# Altium PCB sommotor.PcbDoc (part 2 of 3)
Units mil, origin at the board's own origin, x right, y up, seen from the top; angles counter-clockwise.
Board outline 2543.31 x 4157.48 mil, 4 copper layers (Component Side, Ground Plane, Power Plane, Solder Side), stack 33.234 mil thick; 284 components, 240 nets, 1086 pads, 573 vias.
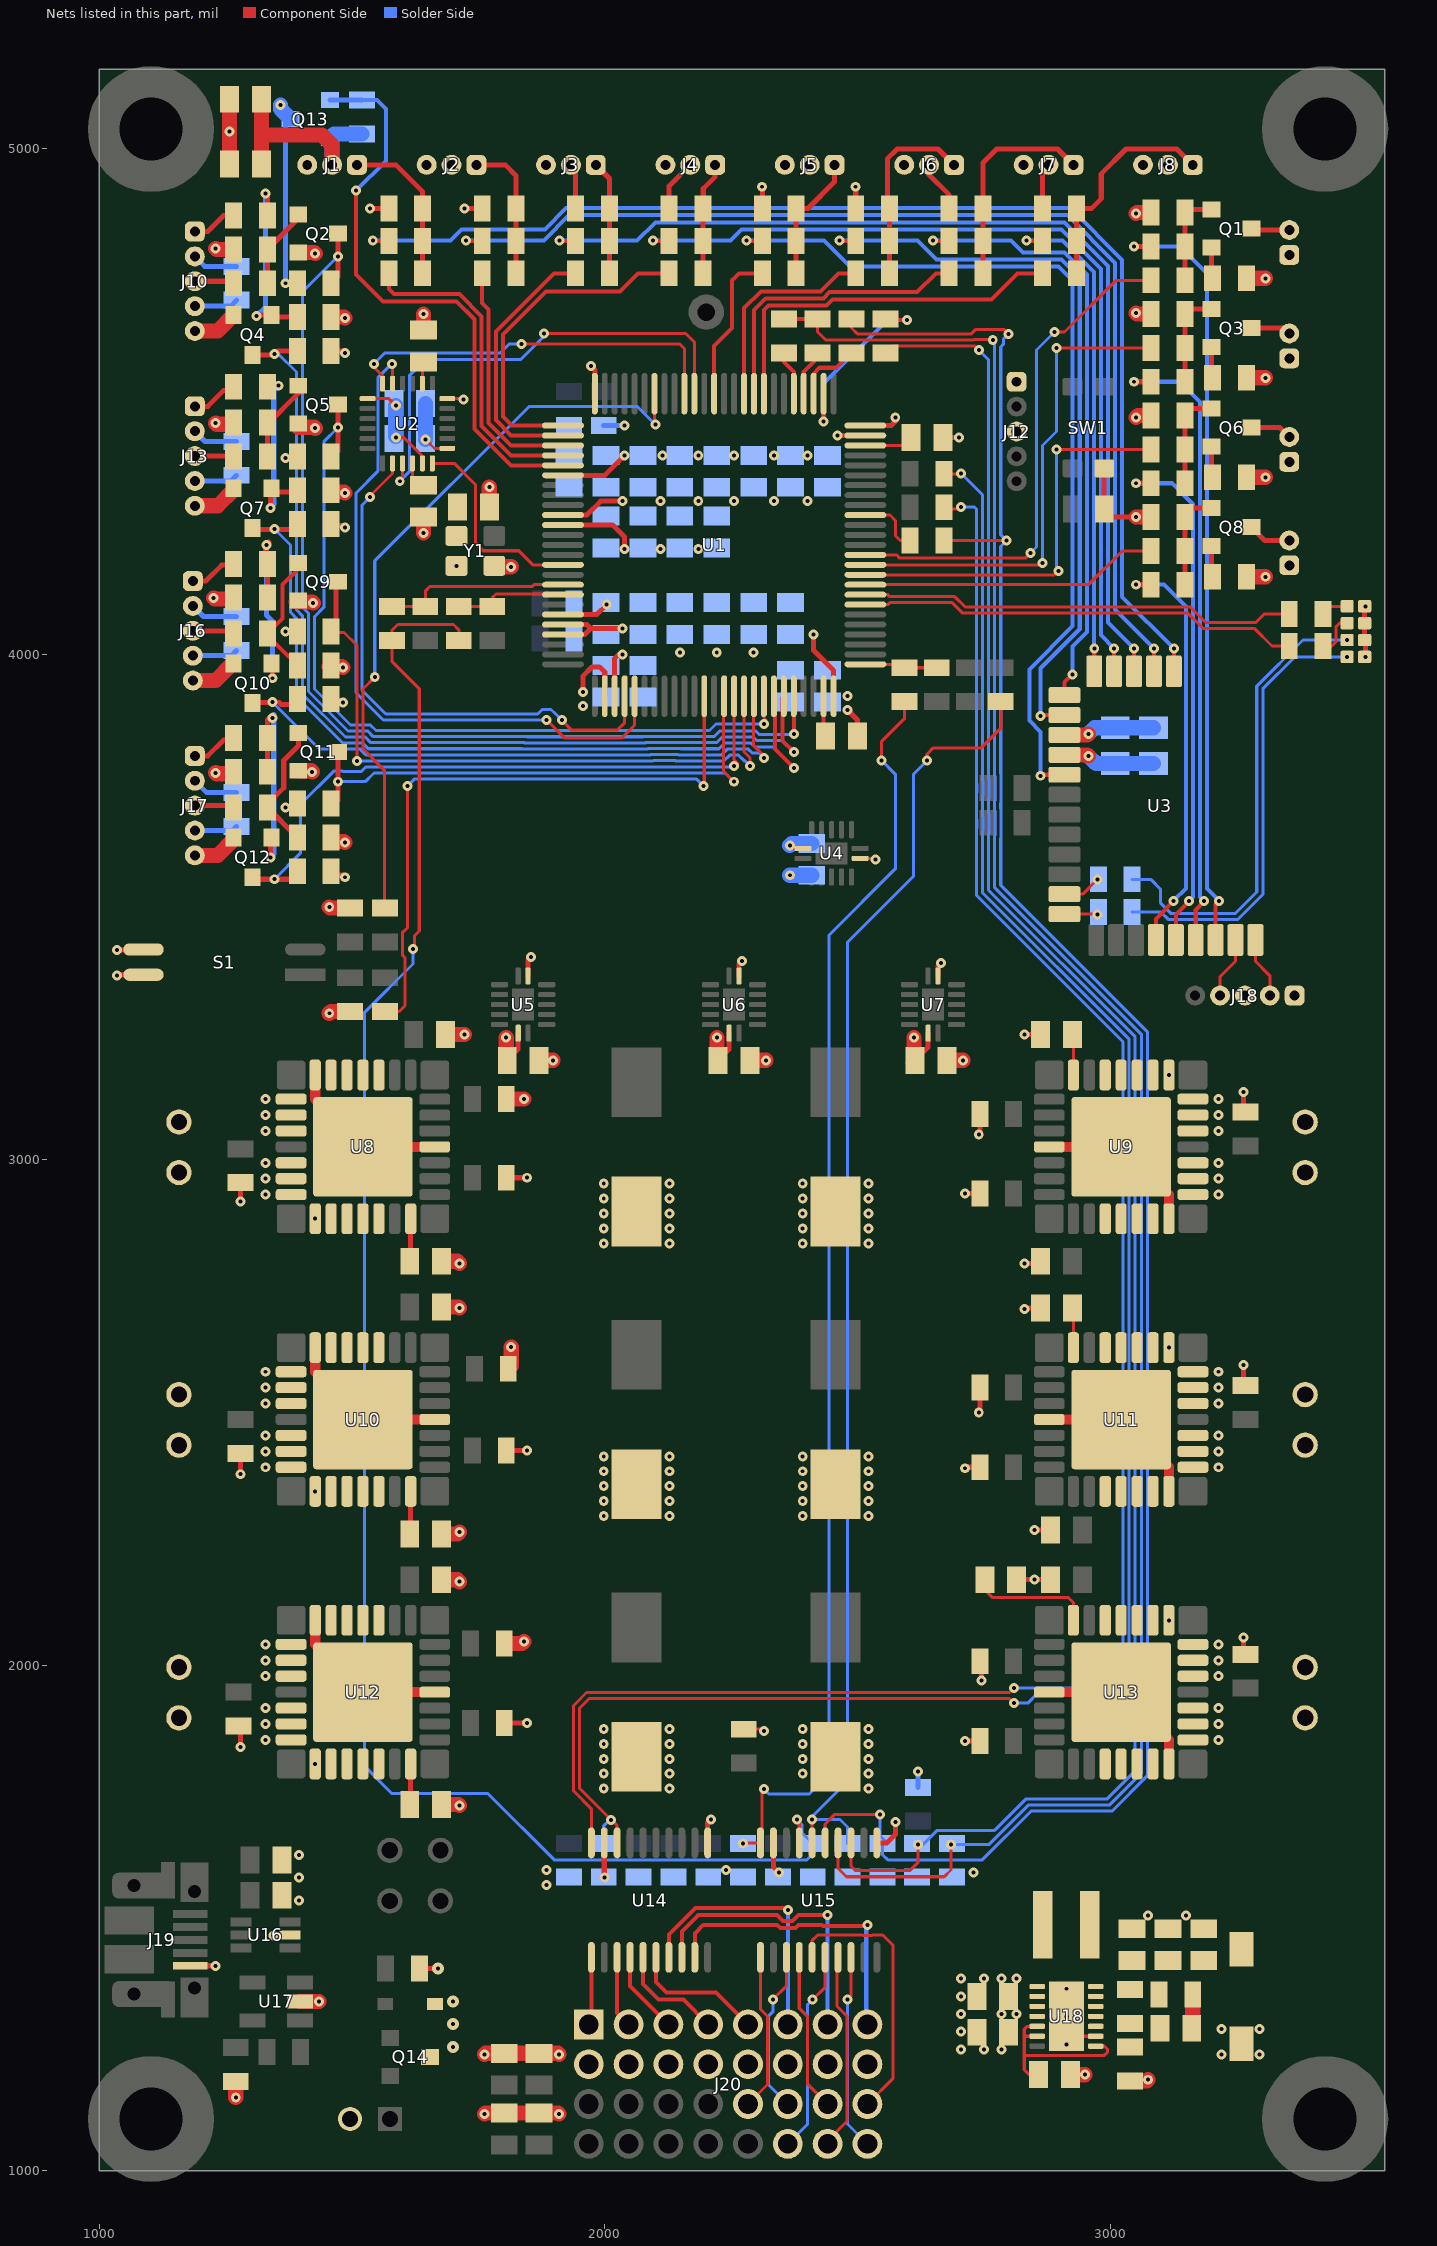
[diagram p4: the nets of this part, all layers, seen from the top]

## Via types
v1: diameter 19.68, hole 7.87, Component Side to Solder Side, tented both sides, 564 vias
v2: diameter 24, hole 8, Component Side to Solder Side, 9 vias

## Nets (pads, with @x,y where several pads share a name; then routed paths per layer and width w, separated by ;. In a path a pad name is that pad's centre, name@x,y a point inside that pad or via, vN(x,y) a via of type N, cw(c..) or ccw(c..) an arc to the next point about the centre after c; other vN are vias at no path point) (continued)
+3V3: C1.1 C2.1 C6.1 C11.2 C12.2 C13.2 C43.1 C44.1 C45.1 C46.2 C47.2 C48.2 C49.2 C50.1 C51.1 C52.1 C53.1 C54.2 C55.2 C56.1 C57.1 C58.1 C59.1 C60.1 C61.2 C62.2 C63.2 C64.1 C65.2 C66.1 C67.1 C68.2 C69.2 FB1.2 J1.2 J2.2 J3.2 J4.2 J5.2 J6.2 J7.2 J8.2 J9.1 J11.1 J12.1 J14.1 J15.1 J18.1 LED1.A LED2.A LED3.A LED4.A Q13.2 R1.2 R2.2 R3.2 R4.2 R5.2 R6.2 R7.2 R8.2 R85.1 R86.1 R89.2 R90.2 R91.2 R92.2 R95.2 R96.2 R97.2 R98.2 R101.2 R102.2 R103.2 R104.2 R112.1 R115.2 R119.2 R124.1 R125.1 R126.1 R127.1 R128.1 R129.1 R130.1 R131.1 R132.1 R133.1 R134.1 R135.1 U1.6 U1.11 U1.21 U1.22 U1.28 U1.50 U1.75 U1.100 U2.13 U3.8 U4.14 U5.14 U6.14 U7.14 U8.26 U9.26 U10.26 U11.26 U12.26 U13.26 U14.19 U15.19 Y1.1 Y1.4 | length 3319.9
  Component Side w6: v1(1645.67,4425.2) 1663.39,4407.48 U2.13@1688.48,4407.48 ; v1(2366.14,3622.05) 2372.05,3616.14 U4.14@2392.32,3616.14
  Component Side w10: v1(1279.53,1838.58) R103.2@1279.53,1875.98 ; v1(1279.53,2377.95) R97.2@1279.53,2415.35 ; v1(1279.53,2917.32) R91.2@1279.53,2954.72 ; v1(1535.43,4881.89) 1535.86,4882.32 R1.2@1572.83,4882.32 ; v1(1722.44,4881.89) 1722.87,4882.32 R2.2@1757.59,4882.32 ; R104.2@1805.12,1885.83 v1(1846.46,1885.83) ; R98.2@1805.12,2425.2 v1(1846.46,2425.2) ; R92.2@1805.12,2964.57 v1(1846.46,2964.57) ; C11.2@1807.09,3196.85 1828.74,3218.5 U5.14@1828.74,3250.59 ; U1.22@1917.32,4039.37 1960.63,4039.37 1972.44,4051.18 ; U1.21@1917.32,4059.06 1964.57,4059.06 1972.44,4051.18 ; U1.11@1917.32,4255.91 2015.75,4255.91 2039.37,4232.28 v1(2039.37,4208.66) ; U1.6@1917.32,4354.33 2000,4354.33 v1(2039.37,4393.7) ; J3.2@1933.07,4968.5 1942.35,4959.22 R3.2@1942.35,4882.32 ; v1(1972.44,4570.87) 1980.31,4562.99 U1.100@1980.31,4515.75 ; U14.19@1999.02,1648.62 1999.02,1580.98 v1(2000,1580) ; U1.28@2019.68,3917.32 2019.68,3992.13 2027.55,3999.99 v1(2035.43,3999.99) ; v1(2035.43,4051.18) 1972.44,4051.18 ; R4.2@2127.11,4882.32 2127.11,4926.32 J4.2@2169.29,4968.5 ; C12.2@2224.41,3196.85 2246.06,3218.5 U6.14@2246.06,3250.59 ; v1(2311.02,4925.2) 2311.87,4924.35 R5.2@2311.87,4882.32 ; U15.19@2333.66,1648.62 2333.66,1601.34 v1(2345,1590) ; v1(2413.39,4039.37) 2413.39,4007.87 2452.76,3968.5 U1.50@2452.76,3917.32 ; v1(2496.06,4925.2) 2496.63,4924.63 R6.2@2496.63,4882.32 ; U1.75@2515.75,4452.76 2566.6,4452.76 2574.8,4460.95 v1(2574.8,4468.49) ; C13.2@2614.17,3196.85 2639.76,3222.44 U7.14@2639.76,3250.59 ; J6.2@2641.73,4968.5 2641.73,4948.82 2681.38,4909.17 R7.2@2681.38,4882.32 ; R102.2@2738.19,2007.87 2745,2001.06 v1(2745,1970) ; v1(2740,2500) 2742.13,2502.13 R95.2@2742.13,2549.21 ; v1(2740,3050) 2742.13,3052.13 R89.2@2742.13,3090.55 ; R8.2@2866.14,4882.32 2866.14,4956.69 J7.2@2877.95,4968.5 ; R101.2@3263.78,2017.72 v1(3263.78,2055.12) ; R96.2@3263.78,2557.09 v1(3263.78,2594.49) ; R90.2@3263.78,3096.46 v1(3263.78,3133.86) ; LED1.A@3503.54,4095.12 LED2.A@3503.54,4061.75 LED3.A@3503.54,4028.37 3505,4026.92 v1(3505,3995)
  Component Side w30: C2.1@1320.87,4970.47 1320.87,5027.56 ; C1.1@1320.87,5098.43 1320.87,5027.56 ; v1(1455,3290) 1458.31,3293.31 R86.1@1496.06,3293.31 ; v1(1455,3500) 1456.97,3498.03 R85.1@1496.06,3498.03 ; J1.2@1460.63,4968.5 1460.63,5007.87 1440.94,5027.56 1320.87,5027.56 ; v1(1805,3241.6) 1805,3198.94 C11.2@1807.09,3196.85 ; C12.2@2222.32,3198.94 v1(2222.32,3241.6) ; C13.2@2610.24,3192.91 C13.2@2614.17,3196.85 ; C13.2@2612.09,3198.94 v1(2612.09,3241.6) ; U3.8@2909.45,3840.55 2954.72,3840.55 v1(2956.69,3842.52)
  Solder Side w30: J1.2@1460.63,4968.5 1460.63,5017.72 Q13.2@1456.69,5021.65 1464.57,5029.53 R112.1@1519.68,5029.53 ; v1(1645.67,4425.2) C44.1@1645.67,4427.17 C43.1@1645.67,4496.06 ; v1(2366.14,3622.05) 2370.08,3625.98 C69.2@2409.45,3625.98 ; v1(2956.69,3842.52) 2968.94,3854.76 C68.2@3010,3854.76 C67.1@3085.98,3854.76
  other v1: 3220,1230 3295,1230 3220,1280 3295,1280 1885,1565 2730,1590 1885,1595 2240,1595 1427.17,1804.72 3116.14,2088.98 1427.17,2344.09 3116.14,2628.35 1427.17,2883.46 3116.14,3167.72 2148.48,4003.94 2221.6,4003.94 2294.71,4003.94 3505,4095 1706.69,4175.2 2110.24,4208.66 2185.04,4208.66 2114.17,4393.7 2185.04,4393.7 2255.91,4393.7 2334.65,4393.7 2401.57,4393.7
BLE_SWDCK: J18.2 U3.26 | length 121.8
  Component Side w6: U3.26@3287.4,3435.04 3287.4,3392.6 3315.79,3364.21 J18.2@3315.79,3325
BLE_SWDIO: J18.4 U3.25 | length 122.7
  Component Side w6: J18.4@3217.36,3325 3217.36,3362.36 3248.03,3393.03 U3.25@3248.03,3435.04
BOOT0: R84.2 U1.94 | length 1471.8
  Component Side w6: v1(1545,3955) 1521.7,3931.7 1521.7,3813.3 1564,3771 1564,3498.99 R84.2@1564.96,3498.03 ; U1.94@2098.43,4515.75 2098.43,4456.57 v1(2100,4455)
  Solder Side w6: v1(1545,3955) 1545,4185 1850,4490 2065,4490 v1(2100,4455)
BOOT1: R87.2 U1.37 | length 1260.3
  Component Side w6: R87.2@1564.96,3293.31 1593.31,3293.31 1605,3305 1605,3400 1599.55,3405.45 1599.55,3449.24 1610,3459.69 v1(1610,3740) ; v1(2195,3740) 2196.85,3741.85 U1.37@2196.85,3917.32
  Solder Side w6: v1(1610,3740) 1623,3753 2182,3753 v1(2195,3740)
DET1: R11.2 U3.1 | length 2439.8
  Component Side w8: v1(1541.06,4818.9) 1541.83,4818.13 R11.2@1572.83,4818.13 ; U3.1@3125.98,3966.54 v1(3125.98,4011.81)
  Solder Side w8: v1(1541.06,4818.9) 1694.7,4818.9 1716.7,4840.9 1881.66,4840.9 1923.66,4882.9 2921.05,4882.9 3023.79,4780.15 3023.79,4114 v1(3125.98,4011.81)
DET2: R12.2 U3.2 | length 2215.6
  Component Side w8: v1(1725.82,4818.9) 1726.59,4818.13 R12.2@1757.59,4818.13 ; U3.2@3086.61,3966.54 v1(3086.61,4011.81)
  Solder Side w8: v1(1725.82,4818.9) 1879.46,4818.9 1929.46,4868.9 2915.25,4868.9 3009.79,4774.35 3009.79,4088.63 v1(3086.61,4011.81)
DET3: R13.2 U3.3 | length 1991.3
  Component Side w8: v1(1910.57,4818.9) 1911.34,4818.13 R13.2@1942.35,4818.13 ; U3.3@3047.24,3966.54 v1(3047.24,4011.81)
  Solder Side w8: v1(1910.57,4818.9) 2064.22,4818.9 2100.22,4854.9 2909.45,4854.9 2995.79,4768.56 2995.79,4063.26 v1(3047.24,4011.81)
DET4: R14.2 U3.4 | length 1767.1
  Component Side w8: v1(2095.33,4818.9) 2096.1,4818.13 R14.2@2127.11,4818.13 ; U3.4@3007.87,3966.54 v1(3007.87,4011.81)
  Solder Side w8: v1(2095.33,4818.9) 2248.98,4818.9 2270.98,4840.9 2903.65,4840.9 2981.79,4762.76 2981.79,4037.89 v1(3007.87,4011.81)
DET5: R15.2 U3.10 | length 1783
  Component Side w8: v1(2280.09,4818.9) 2280.86,4818.13 R15.2@2311.87,4818.13 ; v1(2862.2,3759.84) 2864.17,3761.81 U3.10@2909.45,3761.81
  Solder Side w8: v1(2280.09,4818.9) 2433.74,4818.9 2485.36,4767.28 2898.08,4767.28 2925.79,4739.56 2925.79,4055.94 2840.2,3970.35 2840.2,3868.84 2862.2,3846.84 v1(2862.2,3759.84)
DET6: R16.2 U3.7 | length 1485.1
  Component Side w8: v1(2464.85,4818.9) 2465.62,4818.13 R16.2@2496.63,4818.13 ; v1(2862.2,3877.95) 2864.17,3879.92 U3.7@2909.45,3879.92
  Solder Side w8: v1(2464.85,4818.9) 2618.49,4818.9 2656.12,4781.28 2903.88,4781.28 2939.79,4745.36 2939.79,4050.14 2862.2,3972.55 v1(2862.2,3877.95)
DET7: R17.2 U3.6 | length 1214.6
  Component Side w8: v1(2649.61,4818.9) 2650.38,4818.13 R17.2@2681.38,4818.13 ; U3.6@2909.45,3919.29 2909.45,3944.88 v1(2925.2,3960.63)
  Solder Side w8: v1(2649.61,4818.9) 2803.53,4818.9 2827.16,4795.28 2909.68,4795.28 2953.79,4751.16 2953.79,4044.34 2925.2,4015.75 v1(2925.2,3960.63)
DET8: R18.2 U3.5 | length 981.3
  Component Side w8: v1(2834.65,4818.9) 2835.41,4818.13 R18.2@2866.14,4818.13 ; U3.5@2968.5,3966.54 v1(2968.5,4011.81)
  Solder Side w8: v1(2834.65,4818.9) 2905.85,4818.9 2967.79,4756.96 2967.79,4012.52 v1(2968.5,4011.81)
EM1: R19.1 U3.24 | length 1531.2
  Component Side w8: U3.24@3208.66,3435.04 3208.66,3504.87 v1(3215.61,3511.81)
  Component Side w10: v1(3047.24,4807.09) R19.1@3080.71,4807.09
  Solder Side w8: v1(3047.24,4807.09) 3137.8,4807.09 3191.61,4753.28 3191.61,3536.92 3215.61,3512.92 v1(3215.61,3511.81)
EM2: R42.1 U3.23 | length 1254.9
  Component Side w8: U3.23@3169.29,3435.04 3169.29,3494.38 3185.61,3510.7 v1(3185.61,3511.81)
  Component Side w10: v1(3047.24,4539.37) R42.1@3080.71,4539.37
  Solder Side w8: v1(3047.24,4539.37) 3137.8,4539.37 3177.61,4499.56 3177.61,3519.81 v1(3185.61,3511.81)
EM3: R51.1 U3.22 | length 1035.1
  Component Side w8: U3.22@3129.92,3435.04 3129.92,3485.01 3155.61,3510.7 v1(3155.61,3511.81)
  Component Side w10: v1(3051.18,4338.58) R51.1@3080.71,4338.58
  Solder Side w8: v1(3051.18,4338.58) 3122.05,4338.58 3163.61,4297.02 3163.61,3519.81 v1(3155.61,3511.81)
EM4: R60.1 U3.21 | length 829.8
  Component Side w8: U3.21@3090.55,3435.04 3090.55,3476.76 v1(3125.61,3511.81)
  Component Side w10: v1(3051.18,4137.8) R60.1@3080.71,4137.8
  Solder Side w8: v1(3051.18,4137.8) 3106.3,4137.8 3149.61,4094.49 3149.61,3536.92 3125.61,3512.92 v1(3125.61,3511.81)
ENC_PWR: J10.2 J13.2 J16.2 J17.2 Q13.3 R32.1 R40.2 R48.1 R55.2 R67.1 R75.2 R79.1 R83.2 R113.2 R116.2 R118.2 R120.2 | length 942.7
  Component Side w10: v1(1368.11,3696.84) R79.1@1391.72,3696.84 ; v1(1368.11,4045.27) 1385.16,4045.27 R67.1@1387.79,4042.64 ; v1(1368.11,4388.44) R48.1@1391.72,4388.44 ; v1(1368.11,4734.24) R32.1@1391.72,4734.24 ; R75.2@1454.72,3908.79 1478.35,3908.79 v1(1482.28,3904.86) ; R83.2@1458.66,3562.99 1482.28,3562.99 v1(1486.22,3559.06) ; R55.2@1458.66,4254.59 1482.28,4254.59 v1(1486.22,4250.66) ; R40.2@1458.66,4600.39 1482.28,4600.39 v1(1486.22,4596.46)
  Solder Side w10: J16.2@1185.04,4095.8 1206.04,4074.8 R118.2@1271.65,4074.8 ; J17.2@1188.98,3750 1212.6,3726.38 R120.2@1271.65,3726.38 ; J13.2@1188.98,4441.6 1209.32,4421.26 R116.2@1271.65,4421.26 ; J10.2@1188.98,4787.4 1208.66,4767.72 R113.2@1271.65,4767.72 ; v1(1368.11,4734.24) 1368.11,5049.21 Q13.3@1377.95,5059.06
  Solder Side w30: v1(1358.27,5086.61) 1358.27,5078.74 Q13.3@1377.95,5059.06
GND: C1.2 C2.2 C3.2 C4.1 C5.2 C6.2 C7.2 C8.1 C9.1 C10.1 C11.1 C12.1 C13.1 C14.2 C15.2 C16.1 C17.1 C18.1 C19.1 C20.2 C21.2 C22.1 C23.1 C24.1 C25.1 C26.1 C27.2 C28.2 C29.1 C30.1 C31.2 C32.1 C33.1 C34.1 C35.1 C37.1 C38.1 C39.1 C40.2 C41.1 C42.1 C43.2 C44.2 C45.2 C46.1 C47.1 C48.1 C49.1 C50.2 C51.2 C52.2 C53.2 C54.1 C55.1 C56.2 C57.2 C58.2 C59.2 C60.2 C61.1 C62.1 C63.1 C64.2 C65.1 C66.2 C67.2 C68.1 C69.1 J1.3 J2.3 J3.3 J4.3 J5.3 J6.3 J7.3 J8.3 J10.5 J12.3 J13.5 J16.5 J17.5 J18.3 J19.5 J20.2 J20.6 J20.10 J20.14 J20.18 J20.22 J20.26 J20.30 K1.2 Q2.2 Q4.2 Q5.2 Q7.2 Q9.2 Q10.2 Q11.2 Q12.2 R9.1 R20.2 R29.2 R33.1 R34.2 R41.2 R44.1 R45.2 R50.2 R52.2 R54.1 R59.2 R61.2 R70.2 R77.2 R82.2 R88.1 R93.1 R94.1 R99.1 R100.1 R105.1 R106.1 R109.1 R110.1 R114.1 R117.1 R123.2 R136.2 S1.3 S1.4 SW1.3 U1.10 U1.20 U1.27 U1.74 U2.1 U2.11 U2.18 U3.9 U4.7 U5.7 U6.7 U7.7 U8.5 U8.16 U8.18 U8.19 U8.20 U8.22 U8.23 U8.24 U8.EP U9.5 U9.16 U9.18 U9.19 U9.20 U9.22 U9.23 U9.24 U9.EP U10.5 U10.16 U10.18 U10.19 U10.20 U10.22 U10.23 U10.24 U10.EP U11.5 U11.16 U11.18 U11.19 U11.20 U11.22 U11.23 U11.24 U11.EP U12.5 U12.16 U12.18 U12.19 U12.20 U12.22 U12.23 U12.24 U12.EP U13.5 U13.16 U13.18 U13.19 U13.20 U13.22 U13.23 U13.24 U13.EP U14.11 U15.11 U16.2 U17.2 U18.2 U18.15 Y1.2 | length 6164
  Component Side w6: U2.1@1531,4505.91 1572.82,4505.91 v1(1586.61,4492.12) ; v1(1586.61,4429.13) 1602.36,4429.13 1639.27,4392.22 U2.11@1639.27,4377.95 ; U2.18@1688.48,4505.91 1718.5,4505.91 v1(1720.47,4503.94) ; R105.1@2275,1873.46 2311.54,1873.46 v1(2315,1870) ; U4.7@2505.32,3596.46 2533.45,3596.46 v1(2535.43,3594.48) ; v1(2913.39,1305.39) 2913.39,1300.61 2948,1266 U18.2@2971.26,1266.02
  Component Side w10: v1(1035,3365) 1036.14,3366.14 S1.4@1087.48,3366.14 ; v1(1035,3415) 1086.34,3415 S1.3@1087.48,3416.14 ; J19.5@1180.12,1405.51 1229.49,1405.51 v1(1230,1405) ; v1(1345,1465) 1346.54,1466.54 U16.2@1376.97,1466.54 ; R136.2@1633.46,1400 v2(1670,1400) ; U5.7@1848.43,3363.58 1848.43,3395.67 v1(1854.33,3401.57) ; U1.20@1917.32,4078.74 1984.25,4078.74 v1(2003.94,4098.43) ; U1.10@1917.32,4275.59 1964.57,4275.59 1992.13,4303.15 v1(2035.43,4303.15) ; v1(1956.69,3925.2) 1956.69,3956.69 1975,3975 1990,3975 2000,3965 U1.27@2000,3917.32 ; U14.11@2203.74,1648.62 2203.74,1688.74 v1(2210,1695) ; U6.7@2265.75,3363.58 2265.75,3387.8 v1(2271.65,3393.7) ; v1(2460.63,4433.07) U1.74@2515.75,4433.07 ; v1(2480.32,3889.76) 2500,3870.08 C8.1@2500,3838.58 ; U15.11@2538.39,1648.62 2558.62,1648.62 2575,1665 v1(2575,1690) ; U7.7@2659.45,3363.58 2659.45,3383.86 v1(2665.35,3389.76) ; C4.1@2669.29,4429.13 v1(2700.79,4429.13) ; v1(2712.6,1850.39) R106.1@2742.13,1850.39 ; v1(2712.6,2389.76) 2714.57,2391.73 R99.1@2742.13,2391.73 ; v1(2712.6,2933.07) R93.1@2742.13,2933.07 ; C26.1@2814.96,2169.29 v1(2850.39,2169.29) C25.1@2881.89,2169.29 ; v1(2830.71,2704.72) 2832.68,2706.69 C19.1@2862.2,2706.69 ; v1(2830.71,2795.28) 2846.46,2795.28 C17.1@2862.2,2811.02 ; v1(2830.71,3248.03) C10.1@2862.2,3248.03 ; v1(2850.39,2267.72) C22.1@2881.89,2267.72 ; SW1.3@2988.19,4368.11 C7.2@2988.19,4287.4 3003.94,4271.65 v1(3051.18,4271.65)
  Component Side w20: U12.16@1427.17,2088.98 1427.17,2041.34 U12.EP@1521.65,1946.85 U12.5@1663.78,1946.85 ; U10.16@1427.17,2628.35 1427.17,2580.71 U10.EP@1521.65,2486.22 U10.5@1663.78,2486.22 ; U8.16@1427.17,3167.72 1427.17,3120.08 U8.EP@1521.65,3025.59 U8.5@1663.78,3025.59 ; U13.5@2879.53,1946.85 U13.EP@3021.65,1946.85 3116.14,1852.36 U13.16@3116.14,1804.72 ; U11.5@2879.53,2486.22 U11.EP@3021.65,2486.22 3116.14,2391.73 U11.16@3116.14,2344.09 ; U9.5@2879.53,3025.59 U9.EP@3021.65,3025.59 3116.14,2931.1 U9.16@3116.14,2883.46
  Component Side w30: J16.5@1185.04,3948.16 1230.31,3948.16 Q10.2@1261.81,3979.66 ; J17.5@1188.98,3602.36 1234.25,3602.36 Q12.2@1265.75,3633.86 ; J13.5@1188.98,4293.96 1234.25,4293.96 Q7.2@1265.75,4325.46 ; J10.5@1188.98,4639.76 1234.25,4639.76 Q4.2@1265.75,4671.26 ; v1(1226.38,4111.55) 1228.35,4109.58 R61.2@1261.81,4109.58 ; v1(1230.32,3765.75) 1232.28,3763.78 R77.2@1265.75,3763.78 ; v1(1230.32,4457.35) 1232.28,4455.38 R45.2@1265.75,4455.38 ; v1(1230.32,4803.15) 1232.28,4801.18 R20.2@1265.75,4801.18 ; C2.2@1257.87,4970.47 C1.2@1257.87,5098.43 ; v1(1270,1145) R110.1@1270,1176.54 ; Q9.2@1389.76,4103.67 1421.26,4103.67 v1(1423.23,4101.71) ; Q11.2@1393.7,3769.69 1419.28,3769.69 v1(1421.26,3767.71) ; Q5.2@1393.7,4449.48 1425.2,4449.48 v1(1427.17,4447.51) ; Q2.2@1393.7,4795.28 1425.2,4795.28 v1(1427.17,4793.31) ; U17.2@1397.24,1335 v1(1435,1335) ; R70.2@1454.72,3975.72 1480.31,3975.72 v1(1482.28,3973.75) ; R82.2@1458.66,3629.92 1484.25,3629.92 v1(1486.22,3627.95) ; R52.2@1458.66,4321.52 1484.25,4321.52 v1(1486.22,4319.55) ; R34.2@1458.66,4667.32 1484.25,4667.32 v1(1486.22,4665.35) ; v1(1641.73,4240.16) C5.2@1641.73,4271.65 ; C3.2@1641.73,4641.73 v1(1641.73,4673.23) ; C29.1@1677.17,1724.41 1710.63,1724.41 v1(1712.6,1722.44) ; C24.1@1677.17,2169.29 1708.66,2169.29 v1(1712.6,2165.35) ; C23.1@1677.17,2259.84 1708.66,2259.84 v1(1712.6,2263.78) ; C18.1@1677.17,2708.66 1710.63,2708.66 v1(1712.6,2706.69) ; C16.1@1681.1,2799.21 1708.66,2799.21 v1(1712.6,2795.28) ; C9.1@1685.04,3248.03 v1(1722.44,3248.03) ; v1(1761.81,1112.2) 1763.78,1114.17 C41.1@1801.18,1114.17 C42.1@1870.08,1114.17 1907.48,1114.17 v1(1909.45,1112.2) ; v1(1761.81,1230.32) 1763.78,1232.28 C38.1@1801.18,1232.28 C39.1@1870.08,1232.28 1907.48,1232.28 v1(1909.45,1230.32) ; C6.2@1771.65,4291.34 v1(1771.65,4330.71) ; Y1.2@1781.5,4175.2 1781.5,4173.23 v1(1814.96,4173.23) ; R100.1@1801.18,2043.31 1836.61,2043.31 v1(1840.55,2047.24) ; R88.1@1805.12,3120.08 v1(1840.55,3120.08) ; R94.1@1809.06,2586.61 1814.96,2592.52 v1(1814.96,2629.92) ; C11.1@1870.08,3196.85 v1(1897.64,3196.85) ; C12.1@2287.4,3196.85 v1(2318.9,3196.85) ; C13.1@2677.17,3196.85 v1(2708.66,3196.85) ; U3.9@2909.45,3801.18 2954.72,3801.18 v1(2956.69,3799.21) ; C40.2@2921.5,1190 v1(2950,1190) ; R109.1@3039.37,1177.44 3072.44,1177.44 v1(3075,1180) ; v1(3051.18,4271.65) R54.1@3080.71,4271.65 ; v1(3051.18,4468.5) 3055.12,4472.44 R44.1@3080.71,4472.44 ; v1(3051.18,4675.2) 3053.15,4673.23 R33.1@3080.71,4673.23 ; v1(3051.18,4872.05) 3053.15,4874.02 R9.1@3080.71,4874.02 ; R59.2@3269.69,4153.54 v1(3307.09,4153.54) ; R50.2@3269.69,4350.39 v1(3307.09,4350.39) ; R41.2@3269.69,4547.24 v1(3307.09,4547.24) ; R29.2@3269.69,4744.09 v1(3307.09,4744.09)
  Solder Side w10: R114.1@1998.03,4452.76 v1(2039.37,4452.76) ; R123.2@2620,1758.46 v1(2620,1790)
  Solder Side w30: C44.2@1586.61,4431.1 v1(1586.61,4492.12) ; v1(2366.14,3562.99) C69.1@2409.45,3562.99 ; v1(2956.69,3799.21) 2972.01,3783.9 C68.1@3010,3783.9 C67.2@3085.98,3783.9
  other v1: 2705,1240 2750,1240 2913.39,1250 2705,1275 2705,1310 2705,1345 2913.39,1360 2705,1380 2750,1380 3075,1505 3150,1505 1395,1535 1395,1580 1395,1625 1998.03,1755.91 2127.95,1755.91 2521.65,1755.91 1998.03,1785.43 2127.95,1785.43 2391.73,1785.43 2521.65,1785.43 1998.03,1814.96 2127.95,1814.96 2391.73,1814.96 2521.65,1814.96 1998.03,1844.49 2127.95,1844.49 2391.73,1844.49 2521.65,1844.49 1328.74,1852.36 3214.57,1852.36 1998.03,1874.02 2127.95,1874.02 2391.73,1874.02 2521.65,1874.02 1328.74,1883.86 3214.57,1883.86 1328.74,1915.35 3214.57,1915.35 1328.74,1978.35 3214.57,1978.35 1328.74,2009.84 3214.57,2009.84 1328.74,2041.34 3214.57,2041.34 1998.03,2295.28 2127.95,2295.28 2391.73,2295.28 2521.65,2295.28 1998.03,2324.8 2127.95,2324.8 2391.73,2324.8 2521.65,2324.8 1998.03,2354.33 2127.95,2354.33 2391.73,2354.33 2521.65,2354.33 1998.03,2383.86 2127.95,2383.86 2391.73,2383.86 2521.65,2383.86 1328.74,2391.73 3214.57,2391.73 1998.03,2413.39 2127.95,2413.39 2391.73,2413.39 2521.65,2413.39 1328.74,2423.23 3214.57,2423.23 1328.74,2454.72 3214.57,2454.72 1328.74,2517.72 3214.57,2517.72 1328.74,2549.21 3214.57,2549.21 1328.74,2580.71 3214.57,2580.71 1998.03,2834.65 2127.95,2834.65 2391.73,2834.65 2521.65,2834.65 1998.03,2864.17 2127.95,2864.17 2391.73,2864.17 2521.65,2864.17 1998.03,2893.7 2127.95,2893.7 2391.73,2893.7 2521.65,2893.7 1998.03,2923.23 2127.95,2923.23 2391.73,2923.23 2521.65,2923.23 1328.74,2931.1 3214.57,2931.1 1998.03,2952.76 2127.95,2952.76 2391.73,2952.76 2521.65,2952.76 1328.74,2962.6 3214.57,2962.6 1328.74,2994.09 3214.57,2994.09 1328.74,3057.09 3214.57,3057.09 1328.74,3088.58 3214.57,3088.58 1328.74,3120.08 3214.57,3120.08 1956.69,3897.64 2480.32,3917.32 2110.24,4303.15 2185.04,4303.15 2255.91,4303.15 2334.65,4303.15 2401.57,4303.15 1257.87,5034.45
I2S2_CLK: R71.1 R130.2 U15.20 | length 2499.7
  Component Side w6: v1(2273.62,1647.64) 2274.61,1648.62 U15.20@2308.07,1648.62 2311,1651.55 2311,1751 v1(2315,1755) ; v1(2548,3790) 2548,3828 2593.39,3873.39 R71.1@2593.39,3906.61
  Solder Side w6: v1(2315,1755) 2325,1745 2404.09,1745 2444,1784.91 2444,3444.76 2575,3575.76 2575,3763 v1(2548,3790)
I2S2_SD: R62.2 R64.2 R128.2 U15.17 | length 3578.3
  Component Side w6: v1(1620.55,3417.04) 1624.01,3420.5 1624.01,3443.7 1633.01,3452.7 1633.01,3931.99 1578.74,3986.26 R62.2@1578.74,4027.56 1578.74,4047.24 1590.55,4059.06 1700.79,4059.06 1711.29,4048.56 R64.2@1711.29,4027.56 ; v1(2380,1695) 2380.32,1695 2385,1690.32 2384.84,1690.16 U15.17@2384.84,1648.62
  Solder Side w6: v1(1620.55,3417.04) 1620.55,3387.54 1525,3291.99 1525,1800.06 1579.06,1746 1769,1746 1900,1615 2400,1615 2415,1630 2411.42,1633.58 R128.2@2411.42,1647.64 2390,1669.06 2390,1685 v1(2380,1695)
I2S2_WS: R74.1 R127.2 U15.16 | length 2577.5
  Component Side w6: v1(2410,1695) 2410,1649.06 U15.16@2410.43,1648.62 ; v1(2638,3790) 2638,3803 2650,3815 2745,3815 2783.62,3853.62 R74.1@2783.62,3906.61